# KiCad board pi60_v1.1.kicad_pcb
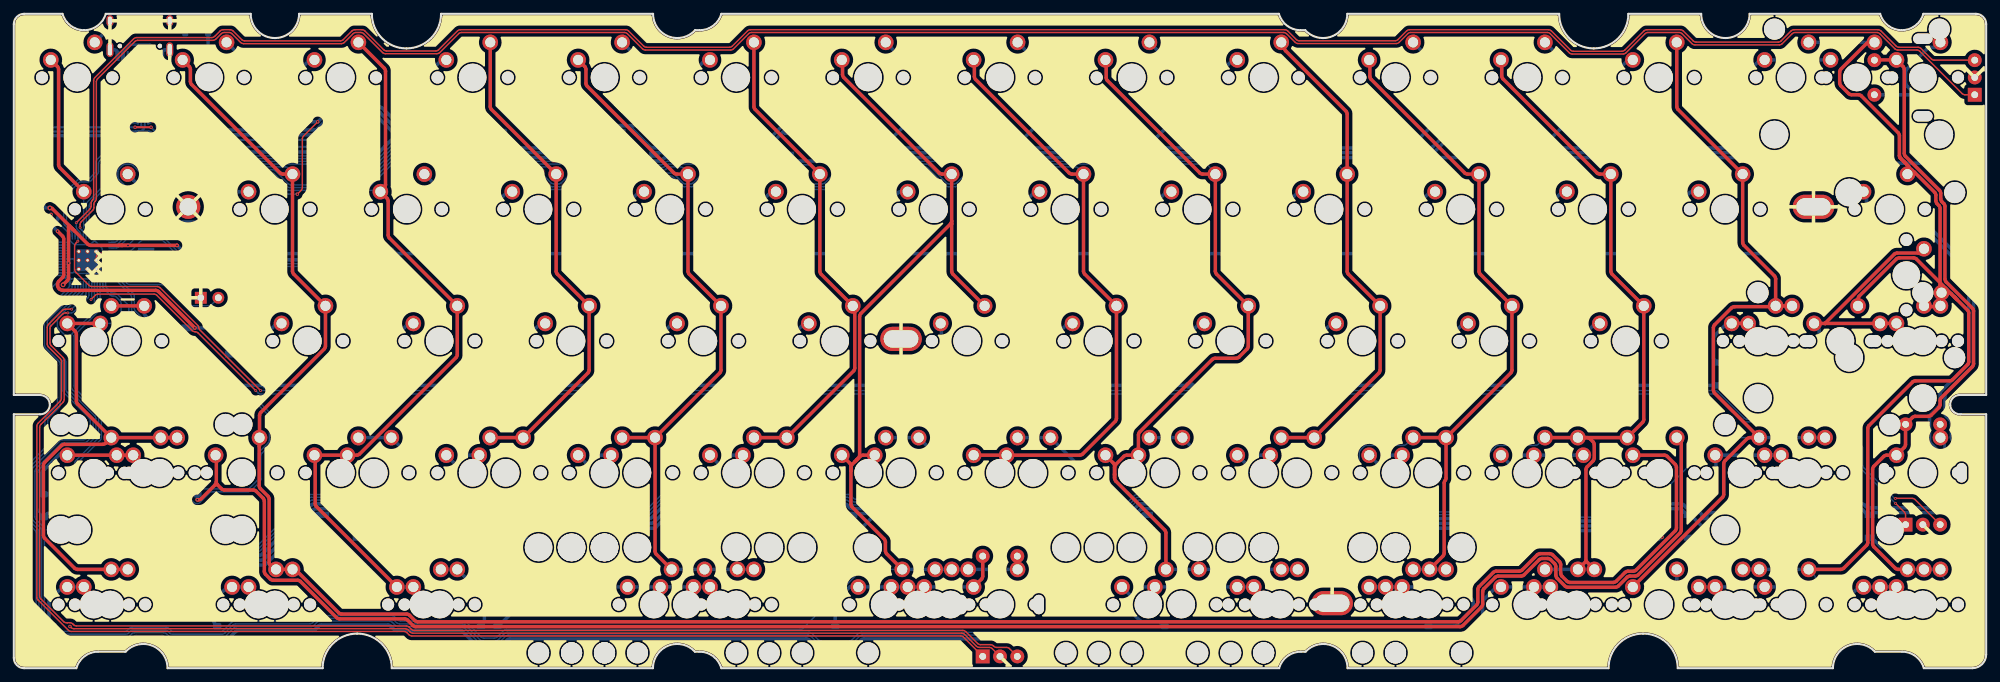
[diagram p0: board, top side]
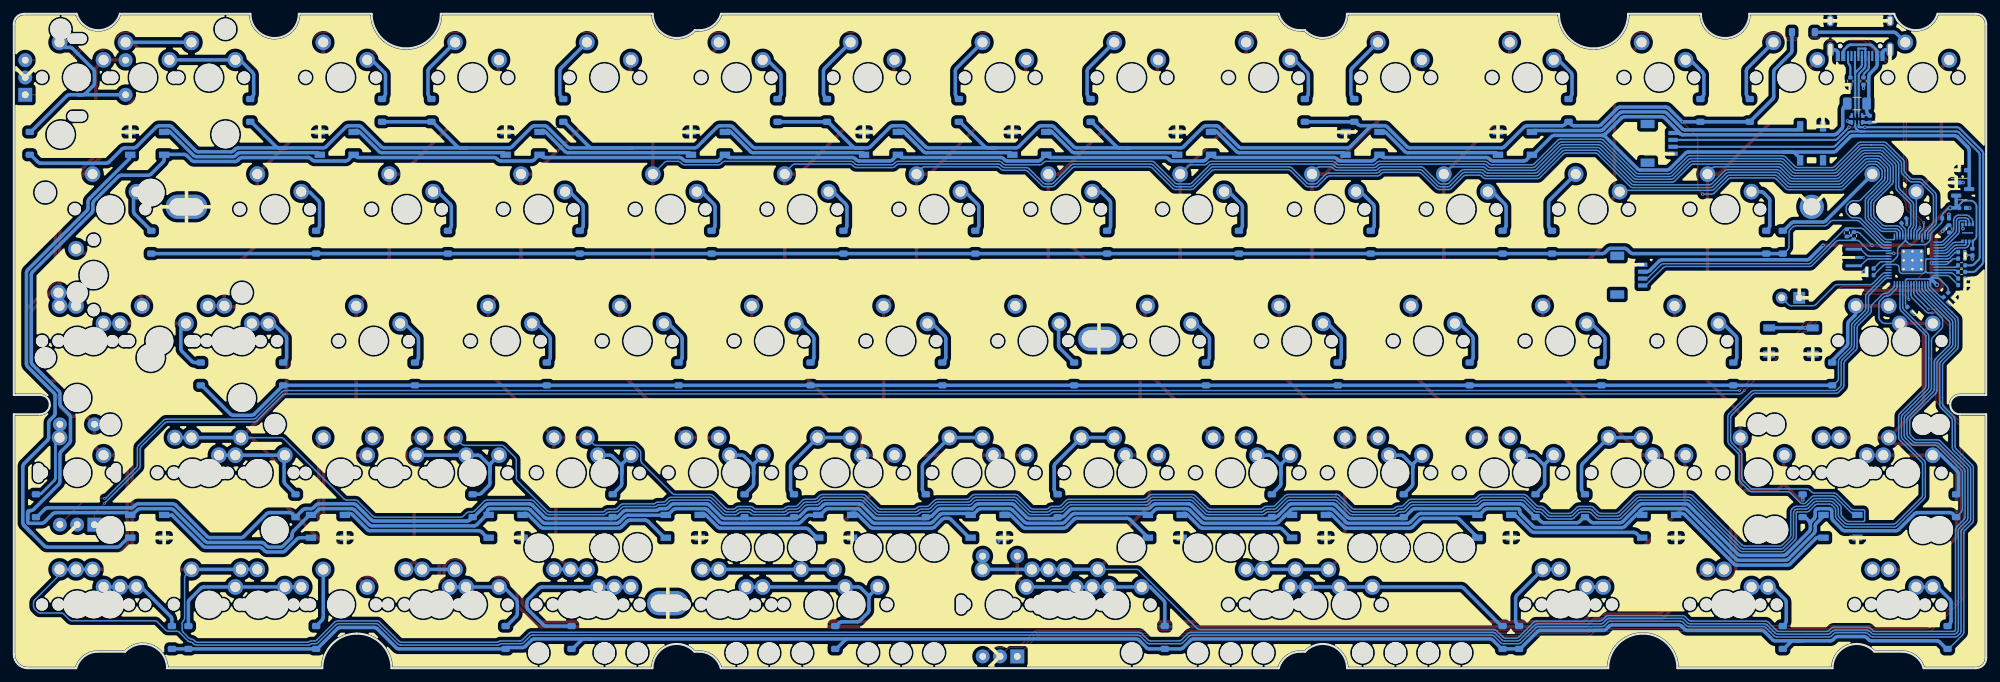
[diagram p1: board, bottom side, seen from below]

Outline 285 x 94.6 mm; copper layers: Top, Bottom. Coordinates in mm from the lower left corner of the outline.
Stack: Top 0.035mm / dielectric 1.51mm FR4 er 4.5 / Bottom 0.035mm

## Placement (name value [footprint] x y rotation side)
C1  100n  [cap_0402_production]  3.56 60.16 180 bottom
C2  100n  [cap_0402_production]  16.75 56.81 0 bottom
C3  100n  [cap_0402_production]  3.57 59.21 180 bottom
C4  100n  [cap_0402_production]  5.87 65.03 180 bottom
C5  100n  [cap_0402_production]  11.05 51.87 225 bottom
C6  100n  [cap_0402_production]  11.89 64.67 135 bottom
C7  100n  [cap_0402_production]  16.75 57.78 0 bottom
C8  100n  [cap_0402_production]  5.15 53.96 225 bottom
C9  100n  [cap_0402_production]  5.83 53.28 225 bottom
C10  1u  [cap_0402_production]  3.56 56.33 180 bottom
C11  1u  [cap_0402_production]  3.56 55.38 180 bottom
C12  100n  [cap_0402_production]  1.99 60.16 270 bottom
C13  10u  [cap_0402_production]  3.4 71.99 0 bottom
C14  10u  [cap_0402_production]  3.4 66.53 180 bottom
C15  1u  [cap_0402_production]  16.82 79.38 270 bottom
D1  D  [diode_SOD-123_production]  26.41 91.95 180 bottom
D2  D  [diode_SOD-123_production]  34.15 80.64 90 bottom
D3  D  [diode_SOD-123_production]  41.3 80.64 90 bottom
D4  D  [diode_SOD-123_production]  60.35 80.64 90 bottom
D5  D  [diode_SOD-123_production]  91.3 80.64 90 bottom
D6  D  [diode_SOD-123_production]  98.45 80.64 90 bottom
D7  D  [diode_SOD-123_production]  129.4 80.64 90 bottom
D8  D  [diode_SOD-123_production]  148.45 80.64 90 bottom
D9  D  [diode_SOD-123_production]  167.5 80.64 90 bottom
D10  D  [diode_SOD-123_production]  174.65 80.64 90 bottom
D11  D  [diode_SOD-123_production]  205.6 80.64 90 bottom
D12  D  [diode_SOD-123_production]  224.65 80.64 90 bottom
D13  D  [diode_SOD-123_production]  231.8 80.64 90 bottom
D14  D  [diode_SOD-123_production]  250.85 80.64 90 bottom
D15  D  [diode_SOD-123_production]  282.7 75.87 90 bottom
D16  D  [diode_SOD-123_production]  29.39 61.59 90 bottom
D17  D  [diode_SOD-123_production]  31.77 61.59 90 bottom
D18  D  [diode_SOD-123_production]  62.73 61.59 90 bottom
D19  D  [diode_SOD-123_production]  69.87 61.59 90 bottom
D20  D  [diode_SOD-123_production]  88.92 61.59 90 bottom
D21  D  [diode_SOD-123_production]  107.97 61.59 90 bottom
D22  D  [diode_SOD-123_production]  127.02 61.59 90 bottom
D23  D  [diode_SOD-123_production]  146.07 61.59 90 bottom
D24  D  [diode_SOD-123_production]  165.12 61.59 90 bottom
D25  D  [diode_SOD-123_production]  184.17 61.59 90 bottom
D26  D  [diode_SOD-123_production]  203.22 61.59 90 bottom
D27  D  [diode_SOD-123_production]  222.27 61.59 90 bottom
D28  D  [diode_SOD-123_production]  241.32 61.59 90 bottom
D29  D  [diode_SOD-123_production]  265.14 61.59 90 bottom
D30  D  [diode_SOD-123_production]  22.25 42.54 90 bottom
D31  D  [diode_SOD-123_production]  36.54 42.54 90 bottom
D32  D  [diode_SOD-123_production]  55.59 42.54 90 bottom
D33  D  [diode_SOD-123_production]  74.64 42.54 90 bottom
D34  D  [diode_SOD-123_production]  93.69 42.54 90 bottom
D35  D  [diode_SOD-123_production]  112.74 42.54 90 bottom
D36  D  [diode_SOD-123_production]  131.79 42.54 90 bottom
D37  D  [diode_SOD-123_production]  150.84 42.54 90 bottom
D38  D  [diode_SOD-123_production]  169.89 42.54 90 bottom
D39  D  [diode_SOD-123_production]  188.94 42.54 90 bottom
D40  D  [diode_SOD-123_production]  207.99 42.54 90 bottom
D41  D  [diode_SOD-123_production]  227.04 42.54 90 bottom
D42  D  [diode_SOD-123_production]  246.09 42.54 90 bottom
D43  D  [diode_SOD-123_production]  257.99 42.54 90 bottom
D44  D  [diode_SOD-123_production]  4.35 23.49 90 bottom
D45  D  [diode_SOD-123_production]  26.53 23.49 90 bottom
D46  D  [diode_SOD-123_production]  57.97 23.49 90 bottom
D47  D  [diode_SOD-123_production]  65.11 23.49 90 bottom
D48  D  [diode_SOD-123_production]  84.16 23.49 90 bottom
D49  D  [diode_SOD-123_production]  103.21 23.49 90 bottom
D50  D  [diode_SOD-123_production]  134.17 23.49 90 bottom
D51  D  [diode_SOD-123_production]  153.22 23.49 90 bottom
D52  D  [diode_SOD-123_production]  172.27 23.49 90 bottom
D53  D  [diode_SOD-123_production]  179.41 23.49 90 bottom
D54  D  [diode_SOD-123_production]  198.46 23.49 90 bottom
D55  D  [diode_SOD-123_production]  218.7 23.49 90 bottom
D56  D  [diode_SOD-123_production]  244.3 23.49 90 bottom
D57  D  [diode_SOD-123_production]  281.8 23.49 90 bottom
D58  D  [diode_SOD-123_production]  5.58 4.44 90 bottom
D59  D  [diode_SOD-123_production]  29.39 4.44 90 bottom
D60  D  [diode_SOD-123_production]  67.49 4.44 90 bottom
D61  D  [diode_SOD-123_production]  118.69 4.44 90 bottom
D62  D  [diode_SOD-123_production]  204.41 4.44 90 bottom
D63  D  [diode_SOD-123_production]  213.94 4.44 90 bottom
D64  D  [diode_SOD-123_production]  259.78 4.44 90 bottom
D65  D  [diode_SOD-123_production]  262.16 4.44 90 bottom
D66  D  [diode_SOD-123_production]  241.32 4.44 90 bottom
D67  D  [diode_SOD-123_production]  69.87 4.44 90 bottom
D68  D  [diode_SOD-123_production]  166.31 4.44 90 bottom
D69  WS2812B  [ws2812b_5050_production]  21.06 20.51 180 bottom
D70  WS2812B  [ws2812b_5050_production]  47.25 20.51 180 bottom
D71  WS2812B  [ws2812b_5050_production]  71.06 20.51 180 bottom
D72  WS2812B  [ws2812b_5050_production]  97.85 20.51 180 bottom
D73  WS2812B  [ws2812b_5050_production]  118.69 20.51 180 bottom
D74  WS2812B  [ws2812b_5050_production]  144.29 20.51 180 bottom
D75  WS2812B  [ws2812b_5050_production]  166.31 20.51 180 bottom
D76  WS2812B  [ws2812b_5050_production]  188.34 20.51 180 bottom
D77  WS2812B  [ws2812b_5050_production]  213.94 20.51 180 bottom
D78  WS2812B  [ws2812b_5050_production]  25.22 75.87 90 bottom
D79  WS2812B  [ws2812b_5050_production]  68.09 75.87 0 bottom
D80  WS2812B  [ws2812b_5050_production]  90.11 75.87 0 bottom
D81  WS2812B  [ws2812b_5050_production]  114.45 75.87 0 bottom
D82  WS2812B  [ws2812b_5050_production]  138.26 75.87 0 bottom
D83  WS2812B  [ws2812b_5050_production]  159.7 75.87 0 bottom
D84  WS2812B  [ws2812b_5050_production]  184.7 75.87 0 bottom
D85  WS2812B  [ws2812b_5050_production]  211.49 75.87 0 bottom
D86  WS2812B  [ws2812b_5050_production]  238.35 75.87 0 bottom
D87  WS2812B  [ws2812b_5050_production]  265.73 75.87 0 bottom
D88  WS2812B  [ws2812b_5050_production]  265.73 20.51 180 bottom
D89  WS2812B  [ws2812b_5050_production]  239.61 20.51 180 bottom
F1  Polyfuse_Small  [Fuse_1206_3216Metric]  18.67 81.63 180 bottom
G***  -  [LOGO]  142.5 39.56 0 top
G***#2  -  [LOGO]  61.54 20.81 0 top
J1  QWIIC_CONNECTORJS-1MM  [qwiic_stemmaqt_conn_production]  49.63 56.82 270 bottom
J2  Conn_01x01_Female  [60_Outline-Modded 02]  142.5 47.3 0 top
J3  Conn_01x02_Female  [PinSocket_1x02_P2.54mm_Vertical]  27.01 53.55 90 top
J4  SM04B-SRSS-TB(LF)(SN)  [qwiic_stemmaqt_conn_production]  45.25 75.87 270 bottom
K1  Esc  [MXOnly-1U-NoLED]  9.15 85.4 0 top
K2  1  [MXOnly-1U-NoLED]  28.2 85.4 0 top
K3  2  [MXOnly-1U-NoLED]  47.25 85.4 0 top
K4  3  [MXOnly-1U-NoLED]  66.3 85.4 0 top
K5  4  [MXOnly-1U-NoLED]  85.35 85.4 0 top
K6  5  [MXOnly-1U-NoLED]  104.4 85.4 0 top
K7  6  [MXOnly-1U-NoLED]  123.45 85.4 0 top
K8  7  [MXOnly-1U-NoLED]  142.5 85.4 0 top
K9  8  [MXOnly-1U-NoLED]  161.55 85.4 0 top
K10  9  [MXOnly-1U-NoLED]  180.6 85.4 0 top
K11  0  [MXOnly-1U-NoLED]  199.65 85.4 0 top
K12  -  [MXOnly-1U-NoLED]  218.7 85.4 0 top
K13  =  [MXOnly-1U-NoLED]  237.75 85.4 0 top
K14  Backspace 2u  [MXOnly-2U-NoLED]  266.33 85.4 0 top
K15  \ 1u  [MXOnly-1U-NoLED]  256.8 85.4 0 top
K16  ` 1u  [MXOnly-1U-NoLED]  275.85 85.4 0 top
K17  Tab 1.5u  [MXOnly-1.5U-NoLED]  13.91 66.35 0 top
K18  Q  [MXOnly-1U-NoLED]  37.73 66.35 0 top
K19  W  [MXOnly-1U-NoLED]  56.78 66.35 0 top
K20  E  [MXOnly-1U-NoLED]  75.83 66.35 0 top
K21  R  [MXOnly-1U-NoLED]  94.88 66.35 0 top
K22  T  [MXOnly-1U-NoLED]  113.93 66.35 0 top
K23  Y  [MXOnly-1U-NoLED]  132.98 66.35 0 top
K24  U  [MXOnly-1U-NoLED]  152.03 66.35 0 top
K25  I  [MXOnly-1U-NoLED]  171.08 66.35 0 top
K26  O  [MXOnly-1U-NoLED]  190.13 66.35 0 top
K27  P  [MXOnly-1U-NoLED]  209.18 66.35 0 top
K28  [  [MXOnly-1U-NoLED]  228.23 66.35 0 top
K29  ]  [MXOnly-1U-NoLED]  247.28 66.35 0 top
K30  \ 1.5u  [MXOnly-1.5U-NoLED]  271.09 66.35 0 top
K31  Caps Stepped  [MXOnly-1.25U-NoLED]  11.53 47.3 0 top
K32  Caps 1.75u  [MXOnly-1.75U-NoLED]  16.29 47.3 0 top
K33  A  [MXOnly-1U-NoLED]  42.49 47.3 0 top
K34  S  [MXOnly-1U-NoLED]  61.54 47.3 0 top
K35  D  [MXOnly-1U-NoLED]  80.59 47.3 0 top
K36  F  [MXOnly-1U-NoLED]  99.64 47.3 0 top
K37  G  [MXOnly-1U-NoLED]  118.69 47.3 0 top
K38  H  [MXOnly-1U-NoLED]  137.74 47.3 0 top
K39  J  [MXOnly-1U-NoLED]  156.79 47.3 0 top
K40  K  [MXOnly-1U-NoLED]  175.84 47.3 0 top
K41  L  [MXOnly-1U-NoLED]  194.89 47.3 0 top
K42  ;  [MXOnly-1U-NoLED]  213.94 47.3 0 top
K43  '  [MXOnly-1U-NoLED]  232.99 47.3 0 top
K44  ISO '  [MXOnly-1U-NoLED]  252.04 47.3 0 top
K45  Enter 2.25u  [MXOnly-2.25U-NoLED]  263.94 47.3 0 top
K46  ISO Enter  [MXOnly-ISO-ROTATED-ReversedStabilizers-NoLED]  273.47 56.82 0 top
K47  Enter 1.25u 01  [MXOnly-1.25U-NoLED]  254.42 47.3 0 top
K48  Enter 1.25u 02  [MXOnly-1.25U-NoLED]  273.47 47.3 0 top
K49  Enter  [MXOnly-1U-NoLED]  275.85 47.3 0 top
K50  Shift 2.25u  [MXOnly-2.25U-NoLED]  21.06 28.25 0 top
K51  Shift 1.25u  [MXOnly-1.25U-NoLED]  11.53 28.25 0 top
K52  ISO <>  [MXOnly-1U-NoLED]  32.96 28.25 0 top
K53  Z  [MXOnly-1U-NoLED]  52.01 28.25 0 top
K54  X  [MXOnly-1U-NoLED]  71.06 28.25 0 top
K55  C  [MXOnly-1U-NoLED]  90.11 28.25 0 top
K56  V  [MXOnly-1U-NoLED]  109.16 28.25 0 top
K57  B  [MXOnly-1U-NoLED]  128.21 28.25 0 top
K58  N  [MXOnly-1U-NoLED]  147.26 28.25 0 top
K59  M  [MXOnly-1U-NoLED]  166.31 28.25 0 top
K60  ,  [MXOnly-1U-NoLED]  185.36 28.25 0 top
K61  .  [MXOnly-1U-NoLED]  204.41 28.25 0 top
K62  /  [MXOnly-1U-NoLED]  223.46 28.25 0 top
K63  Shift 1.75u 01  [MXOnly-1.75U-NoLED]  230.61 28.25 0 top
K64  Shift 2.75u  [MXOnly-2.75U-NoLED]  259.18 28.25 0 top
K65  1u 01  [MXOnly-1U-NoLED]  256.8 28.25 0 top
K66  1u 02  [MXOnly-1U-NoLED]  275.85 28.25 0 top
K67  Shift 1.75u 02  [MXOnly-1.75U-NoLED]  249.66 28.25 0 top
K68  LCtrl 1.25u  [MXOnly-1.25U-NoLED]  11.53 9.2 0 top
K69  LWin 1.25u  [MXOnly-1.25U-NoLED]  35.34 9.2 0 top
K70  LAlt 1.25u  [MXOnly-1.25U-NoLED]  59.16 9.2 0 top
K71  Space 6.25u  [MXOnly-6.25U-ReversedStabilizers-NoLED]  130.59 9.2 0 top
K72  RAlt 1.25u  [MXOnly-1.25U-NoLED]  202.03 9.2 0 top
K73  FN 1.25u  [MXOnly-1.25U-NoLED]  225.84 9.2 0 top
K74  Meta 1.25u  [MXOnly-1.25U-NoLED]  249.66 9.2 0 top
K75  RCtrl 1.25u  [MXOnly-1.25U-NoLED]  273.47 9.2 0 top
K76  LCtrl 1.5u  [MXOnly-1.5U-NoLED]  13.91 9.2 0 top
K77  LWin  [MXOnly-1U-NoLED]  37.73 9.2 0 top
K78  LAlt 1.5u  [MXOnly-1.5U-NoLED]  61.54 9.2 0 top
K79  Space 7u  [MXOnly-7U-ReversedStabilizers-NoLED]  142.5 9.2 0 top
K80  FN 1.5u  [MXOnly-1.5U-NoLED]  223.46 9.2 0 top
K81  Meta  [MXOnly-1U-NoLED]  247.28 9.2 0 top
K82  RCtrl 1.5u  [MXOnly-1.5U-NoLED]  271.09 9.2 0 top
K83  LSpace 2.75u 01  [MXOnly-2.75U-ReversedStabilizers-NoLED]  97.26 9.2 0 top
K84  Space 1.25u 01  [MXOnly-1.25U-NoLED]  135.36 9.2 0 top
K85  RSpace 2.25u  [MXOnly-2.25U-ReversedStabilizers-NoLED]  168.69 9.2 0 top
K86  1u 01  [MXOnly-1U-NoLED]  199.65 9.2 0 top
K87  1u 02  [MXOnly-1U-NoLED]  218.7 9.2 0 top
K88  1u 03  [MXOnly-1U-NoLED]  237.75 9.2 0 top
K89  1u 04  [MXOnly-1U-NoLED]  256.8 9.2 0 top
K90  1u 05  [MXOnly-1U-NoLED]  275.85 9.2 0 top
K91  LSpace 2.25u  [MXOnly-2.25U-ReversedStabilizers-NoLED]  92.49 9.2 0 top
K92  Space 1.25u 02  [MXOnly-1.25U-NoLED]  125.83 9.2 0 top
K93  RSpace 2.75u 01  [MXOnly-2.75U-ReversedStabilizers-NoLED]  163.93 9.2 0 top
K94  RAlt 1.5u  [MXOnly-1.5U-NoLED]  204.41 9.2 0 top
K95  LSpace 2.75u 02  [MXOnly-2.75U-ReversedStabilizers-NoLED]  102.02 9.2 0 top
K96  RSpace 2.75u 02  [MXOnly-2.75U-ReversedStabilizers-NoLED]  182.98 9.2 0 top
K97  LSpace 3u  [MXOnly-3U-ReversedStabilizers-NoLED]  104.4 9.2 0 top
K98  Space 6u Centered  [MXOnly-1U-NoLED]  132.98 9.2 0 top
K99  RSpace 3u  [MXOnly-3U-ReversedStabilizers-NoLED]  180.6 9.2 0 top
K100  Space 10u  [MX-10U-ReversedStabilizers-NoLED]  142.5 9.2 0 top
K101  Z  [MXOnly-1U-NoLED]  47.25 28.25 0 top
K102  X  [MXOnly-1U-NoLED]  66.3 28.25 0 top
K103  C  [MXOnly-1U-NoLED]  85.35 28.25 0 top
K104  V  [MXOnly-1U-NoLED]  104.4 28.25 0 top
K105  B  [MXOnly-1U-NoLED]  123.45 28.25 0 top
K106  N  [MXOnly-1U-NoLED]  142.5 28.25 0 top
K107  M  [MXOnly-1U-NoLED]  161.55 28.25 0 top
K108  ,  [MXOnly-1U-NoLED]  180.6 28.25 0 top
K109  .  [MXOnly-1U-NoLED]  199.65 28.25 0 top
K110  /  [MXOnly-1U-NoLED]  218.7 28.25 0 top
K111  Shift 2u  [MXOnly-2U-NoLED]  18.68 28.25 0 top
K112  2u_Shift_row_1u  [MXOnly-1U-NoLED]  237.75 28.25 0 top
R1  27  [R_0402_1005Metric]  3.56 58.23 0 bottom
R2  27  [R_0402_1005Metric]  3.56 57.28 0 bottom
R3  2.2k  [R_0402_1005Metric]  19.13 62.52 270 bottom
R4  2.2k  [R_0402_1005Metric]  20.13 62.92 90 bottom
R5  1k  [R_0402_1005Metric]  5.34 63.52 90 bottom
R6  5.1k  [R_0402_1005Metric]  17.73 84.87 90 bottom
R7  5.1k  [R_0402_1005Metric]  19.63 84.87 90 bottom
SW1  Rotary_Encoder_Switch  [encoder_production]  275.85 85.4 180 top
SW2  Rotary_Encoder_Switch  [encoder_production]  275.85 28.25 90 top
SW3  Rotary_Encoder_Switch  [encoder_production]  142.5 9.2 90 top
SW4  SW_Push  [reset_switch_TL3342_production]  28.2 47.3 180 bottom
U1  RP2040  [rp2040_production]  10.65 58.97 270 bottom
U2  W25Q128JVS  [rp2040_flash_production]  2.68 62.93 270 bottom
U3  ECMF02-4CMX8  [emi_production]  18.67 79.4 0 bottom
U4  XC6206PxxxMR  [SOT-23]  3.4 69.26 180 bottom
USB1  HRO-TYPE-C-31-M-12  [usb_c_production]  18.21 96.2 0 bottom
Y1  Resonator  [resonator_3_pin_production]  19.13 59.37 0 bottom

## Library data of the parts
C1-C9 C12 = -: Description: Unpolarized capacitor; MPN: C77014
C10 C11 C15 = -: Description: Unpolarized capacitor; MPN: C77009
C13 C14 = -: Description: Unpolarized capacitor; MPN: C77075
D1-D68 = -: Description: Diode; MPN: C83528
D69-D89 = -: Description: RGB LED with integrated controller; MPN: C114586; Field5: 1
F1 = -: Description: Resettable fuse, polymeric positive temperature coefficient, small symbol; MPN: C70076
J1 = -: Description: SparkFun I<sup>2</sup>C Standard Qwiic Connector An SMD 1mm pitch JST connector makes it easy and quick (get it? Qwiic?) to connect I<sup>2</sup>C devices to each other. The <a href= http://www.sparkfun.com/qwiic >Qwiic system</a> enables fast and solderless connection between popular platforms and various sensors and actuators.<br><br>We carry <a href= https://www.sparkfun.com/products/14204 >200mm</a>, <a href= https://www.sparkfun.com/products/14205 >100mm</a>, <a href= https://www.sparkfun.com/products/14206 >50mm</a>, and <a href= https://www.sparkfun.com/products/14207 >breadboard friendly</a> Qwiic cables. We also offer <a href= https://www.sparkfun.com/products/14323 >10 pcs strips</a> the SMD connectors.; Field4: CONN-13694; MPN: C160404
J2 = -: Description: Generic connector, single row, 01x01, script generated (kicad-library-utils/schlib/autogen/connector/)
J3 = -: Description: Generic connector, single row, 01x02, script generated (kicad-library-utils/schlib/autogen/connector/)
J4 = -: MANUFACTURER: JST; MPN: C160404; STANDARD: Manufacturer recommendations
R1 R2 = -: Description: Resistor; MPN: C227342
R3 R4 = -: Description: Resistor; MPN: C326602
R5 = -: Description: Resistor; MPN: C375497
R6 R7 = -: Description: Resistor; MPN: C138073
SW4 = -: Description: Push button switch, generic, two pins; MPN: C2886897
U1 = -: MPN: C2040
U2 = -: Description: 32Mb Serial Flash Memory, Standard/Dual/Quad SPI, SOIC-8; MPN: C2843335
U3 = -: MPN: C717678
U4 = -: Description: 300mA Low Dropout Voltage Regulator, Fixed Output 1.2V, SOT-23; MPN: C347376
USB1 = -: MPN: C165948
Y1 = -: Description: Three pin ceramic resonator; MPN: C341520

## Footprints (pads in the part's own frame, mm; a bottom-side part is the same pattern mirrored in y, then rotated)
60_Outline-Modded 02
  round 3.5 hole 2.5: 1(-117.3,19.4)
  oval 6x3.5 hole 5x2.5: 1(-14.3,0.3) 1(48,-37.9) 1(117.55,19.4)
cap_0402_production
  rrect 0.56x0.62 smd: 1(-0.48,0) 2(0.48,0)
diode_SOD-123_production
  rrect 0.9x1.2 smd: 1(-1.65,0) 2(1.65,0)
emi_production
  custom 0.65x0.7 smd: 1(-0.75,-0.5) 4(0.75,-0.5) 5(0.75,0.5) 8(-0.75,0.5)
  rect 0.2x0.6 smd: 2(-0.25,-0.5) 3(0.25,-0.5) 6(0.25,0.5) 7(-0.25,0.5)
encoder_production
  oval 2.8x1.5 hole 2.8x1.5 unplated: (0,5.6) (0,-5.6)
  rect 2x2 hole 1: A(-7.5,2.5)
  round 2 hole 1: B(-7.5,-2.5) C(-7.5,0) S1(7,-2.5) S2(7,2.5)
Fuse_1206_3216Metric
  rrect 1.25x1.75 smd: 1(-1.4,0) 2(1.4,0)
MX-10U-ReversedStabilizers-NoLED
  round 3.988 hole 3.988 unplated: (-66.675,8.255) (66.675,8.255)
  round 3.048 hole 3.048 unplated: (-66.675,-6.985) (66.675,-6.985)
MXOnly-1.5U-NoLED
  round 1.75 hole 1.75 unplated: (-5.08,0) (5.08,0)
  round 3.988 hole 3.988 unplated: (0,0)
  round 2.25 hole 1.47: 1(-3.81,2.54) 2(2.54,5.08)
MXOnly-1.25U-NoLED
  round 1.75 hole 1.75 unplated: (-5.08,0) (5.08,0)
  round 3.988 hole 3.988 unplated: (0,0)
  round 2.25 hole 1.47: 1(-3.81,2.54) 2(2.54,5.08)
MXOnly-1.75U-NoLED
  round 1.75 hole 1.75 unplated: (-5.08,0) (5.08,0)
  round 3.988 hole 3.988 unplated: (0,0)
  round 2.25 hole 1.47: 1(-3.81,2.54) 2(2.54,5.08)
MXOnly-1U-NoLED
  round 1.75 hole 1.75 unplated: (-5.08,0) (5.08,0)
  round 3.988 hole 3.988 unplated: (0,0)
  round 2.25 hole 1.47: 1(-3.81,2.54) 2(2.54,5.08)
MXOnly-2.25U-NoLED
  round 3.048 hole 3.048 unplated: (-11.906,6.985) (11.906,6.985)
  round 3.988 hole 3.988 unplated: (-11.906,-8.255) (0,0) (11.906,-8.255)
  round 1.75 hole 1.75 unplated: (-5.08,0) (5.08,0)
  round 2.25 hole 1.47: 1(-3.81,2.54) 2(2.54,5.08)
MXOnly-2.25U-ReversedStabilizers-NoLED
  round 3.988 hole 3.988 unplated: (-11.906,8.255) (0,0) (11.906,8.255)
  round 3.048 hole 3.048 unplated: (-11.906,-6.985) (11.906,-6.985)
  round 1.75 hole 1.75 unplated: (-5.08,0) (5.08,0)
  round 2.25 hole 1.47: 1(-3.81,2.54) 2(2.54,5.08)
MXOnly-2.75U-NoLED
  round 3.048 hole 3.048 unplated: (-11.906,6.985) (11.906,6.985)
  round 3.988 hole 3.988 unplated: (-11.906,-8.255) (0,0) (11.906,-8.255)
  round 1.75 hole 1.75 unplated: (-5.08,0) (5.08,0)
  round 2.25 hole 1.47: 1(-3.81,2.54) 2(2.54,5.08)
MXOnly-2.75U-ReversedStabilizers-NoLED
  round 3.988 hole 3.988 unplated: (-11.906,8.255) (0,0) (11.906,8.255)
  round 3.048 hole 3.048 unplated: (-11.906,-6.985) (11.906,-6.985)
  round 1.75 hole 1.75 unplated: (-5.08,0) (5.08,0)
  round 2.25 hole 1.47: 1(-3.81,2.54) 2(2.54,5.08)
MXOnly-2U-NoLED
  round 3.048 hole 3.048 unplated: (-11.906,6.985) (11.906,6.985)
  round 3.988 hole 3.988 unplated: (-11.906,-8.255) (0,0) (11.906,-8.255)
  round 1.75 hole 1.75 unplated: (-5.08,0) (5.08,0)
  round 2.25 hole 1.47: 1(-3.81,2.54) 2(2.54,5.08)
MXOnly-3U-ReversedStabilizers-NoLED
  round 3.988 hole 3.988 unplated: (-19.05,8.255) (0,0) (19.05,8.255)
  round 3.048 hole 3.048 unplated: (-19.05,-6.985) (19.05,-6.985)
  round 1.75 hole 1.75 unplated: (-5.08,0) (5.08,0)
  round 2.25 hole 1.47: 1(-3.81,2.54) 2(2.54,5.08)
MXOnly-6.25U-ReversedStabilizers-NoLED
  round 3.988 hole 3.988 unplated: (-50,8.255) (0,0) (50,8.255)
  round 3.048 hole 3.048 unplated: (-50,-6.985) (50,-6.985)
  round 1.75 hole 1.75 unplated: (-5.08,0) (5.08,0)
  round 2.25 hole 1.47: 1(-3.81,2.54) 2(2.54,5.08)
MXOnly-7U-ReversedStabilizers-NoLED
  round 3.988 hole 3.988 unplated: (-57.15,8.255) (0,0) (57.15,8.255)
  round 3.048 hole 3.048 unplated: (-57.15,-6.985) (57.15,-6.985)
  round 1.75 hole 1.75 unplated: (-5.08,0) (5.08,0)
  round 2.25 hole 1.47: 1(-3.81,2.54) 2(2.54,5.08)
MXOnly-ISO-ROTATED-ReversedStabilizers-NoLED
  round 3.988 hole 3.988 unplated: (-8.255,11.938) (-8.255,-11.938) (0,0)
  round 1.75 hole 1.75 unplated: (0,5.08) (0,-5.08)
  round 3.048 hole 3.048 unplated: (6.985,11.938) (6.985,-11.938)
  round 2.25 hole 1.47: 1(2.54,3.81) 2(5.08,-2.54)
PinSocket_1x02_P2.54mm_Vertical
  rect 1.7x1.7 hole 1: 1(0,0)
  oval 1.7x1.7 hole 1: 2(0,-2.54)
qwiic_stemmaqt_conn_production
  rect 0.599x1.349 smd: 1(-1.499,0) 2(-0.498,0) 3(0.498,0) 4(1.499,0)
  rect 1.199x1.999 smd: NC1(2.799,-3.673) NC2(-2.799,-3.673)
R_0402_1005Metric
  rrect 0.54x0.64 smd: 1(-0.51,0) 2(0.51,0)
reset_switch_TL3342_production
  rect 1.7x1 smd: 1(-3.15,1.9) 1(3.15,1.9) 2(-3.15,-1.9) 2(3.15,-1.9)
resonator_3_pin_production
  rect 2.362x0.406 smd: 1(0,1.2) 2(0,0) 3(0,-1.2)
rp2040_flash_production
  rect 0.49x0.35 smd: 1(-1.22,0.75) 2(-1.22,0.25) 3(-1.22,-0.25) 4(-1.22,-0.75) 5(1.22,-0.75) 6(1.22,-0.25) 7(1.22,0.25) 8(1.22,0.75)
  rect 0.2x1.6 smd: 9(0,0)
rp2040_production
  rrect 1.084x1.084 smd: (-0.637,-0.637) (-0.637,0.637) (0.637,-0.637) (0.637,0.637)
  rrect 0.875x0.2 smd: 1(-3.438,2.6) 2(-3.438,2.2) 3(-3.438,1.8) 4(-3.438,1.4) 5(-3.438,1) 6(-3.438,0.6) 7(-3.438,0.2) 8(-3.438,-0.2) 9(-3.438,-0.6) 10(-3.438,-1) 11(-3.438,-1.4) 12(-3.438,-1.8) 13(-3.438,-2.2) 14(-3.438,-2.6) 29(3.438,-2.6) 30(3.438,-2.2) 31(3.438,-1.8) 32(3.438,-1.4) 33(3.438,-1) 34(3.438,-0.6) 35(3.438,-0.2) 36(3.438,0.2) 37(3.438,0.6) 38(3.438,1) 39(3.438,1.4) 40(3.438,1.8) 41(3.438,2.2) 42(3.438,2.6)
  rrect 0.2x0.875 smd: 15(-2.6,-3.438) 16(-2.2,-3.438) 17(-1.8,-3.438) 18(-1.4,-3.438) 19(-1,-3.438) 20(-0.6,-3.438) 21(-0.2,-3.438) 22(0.2,-3.438) 23(0.6,-3.438) 24(1,-3.438) 25(1.4,-3.438) 26(1.8,-3.438) 27(2.2,-3.438) 28(2.6,-3.438) 43(2.6,3.438) 44(2.2,3.438) 45(1.8,3.438) 46(1.4,3.438) 47(1,3.438) 48(0.6,3.438) 49(0.2,3.438) 50(-0.2,3.438) 51(-0.6,3.438) 52(-1,3.438) 53(-1.4,3.438) 54(-1.8,3.438) 55(-2.2,3.438) 56(-2.6,3.438)
  round 0.6 hole 0.35: 57(-1.275,-1.275) 57(-1.275,0) 57(-1.275,1.275) 57(0,-1.275) 57(0,0) 57(0,1.275) 57(1.275,-1.275) 57(1.275,0) 57(1.275,1.275)
  rrect 3.2x3.2 smd: 57(0,0)
SOT-23
  rrect 1.475x0.6 smd: 1(-0.938,0.95) 2(-0.938,-0.95) 3(0.938,0)
usb_c_production
  round 0.65 hole 0.65 unplated: (-2.89,6.25) (2.89,6.25)
  rect 0.6x1.45 smd: 1(-3.225,7.695) 2(-2.45,7.695) 11(2.45,7.695) 12(3.225,7.695)
  rect 0.3x1.45 smd: 3(-1.75,7.695) 4(-1.25,7.695) 5(-0.75,7.695) 6(-0.25,7.695) 7(0.25,7.695) 8(0.75,7.695) 9(1.25,7.695) 10(1.75,7.695)
  oval 1x1.6 hole 0.6x1.2: 13(-4.32,2.6) 13(4.32,2.6)
  oval 1x2.1 hole 0.6x1.7: 13(-4.32,6.78) 13(4.32,6.78)
ws2812b_5050_production
  rect 1.5x0.9 smd: 1(-2.45,1.65) 2(-2.45,-1.65) 4(2.45,1.65)
  rrect 1.5x0.9 smd: 3(2.45,-1.65)
